# Altium PCB Copy of Power_Management_Board.PcbDoc (part 2 of 2)
Units mm, origin at the board's own origin, x right, y up, seen from the top; angles counter-clockwise.
Board outline 210 x 150 mm, 4 copper layers (Top Layer, Layer 1 (3.3V), Layer 2 (GND), Bottom Layer), stack 1.606 mm thick; 112 components, 88 nets, 553 pads, 196 vias.
Unrouted connection lines stored in the file: 1.
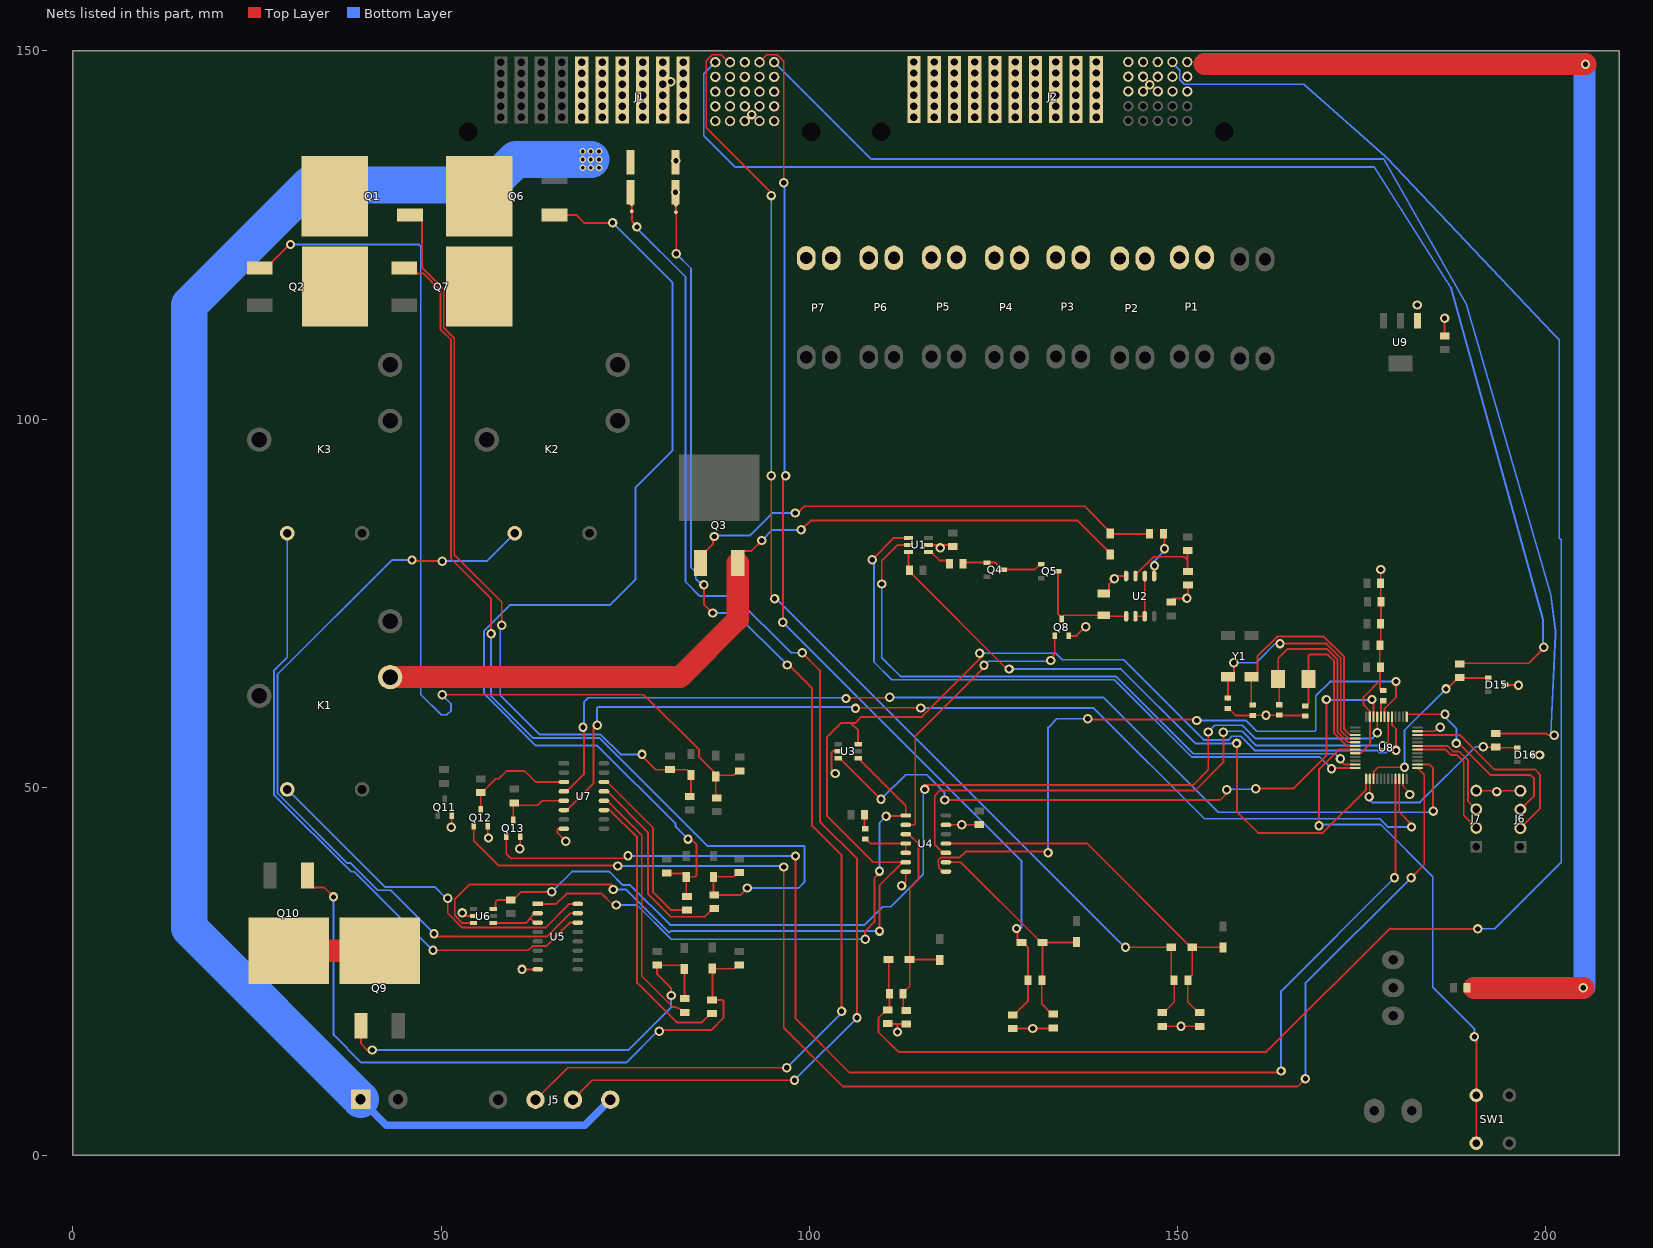
[diagram p2: the nets of this part, all layers, seen from the top]

## Via types
v1: diameter 1.27, hole 0.711, Top Layer to Bottom Layer, 186 vias
v2: diameter 0.9, hole 0.5, Top Layer to Bottom Layer, tented both sides, 9 vias
v3: diameter 1.27/1.27/1.27/1.27 (per signal layer), hole 0.711, Top Layer to Bottom Layer, 1 vias

## Nets (pads, with @x,y where several pads share a name; then routed paths per layer and width w, separated by ;. In a path a pad name is that pad's centre, name@x,y a point inside that pad or via, vN(x,y) a via of type N, cw(c..) or ccw(c..) an arc to the next point about the centre after c; other vN are vias at no path point) (continued)
B1_PRSNT: U4.8 U8.43 | length 94.1
  Top Layer w0.25: U4.8@118.575,38.54 118.15,38.54 117.604,39.086 117.604,39.473 117.525,39.551 117.525,40.069 117.911,40.455 120.455,40.455 121.25,41.25 v1@132.45,41.25 ; v1(137.85,59.3) 137.975,59.175 152.525,59.175 v1(152.65,59.05) ; U8.43@178.15,59.575 178.15,60.69 179.7,62.24 v1(179.7,64.35)
  Bottom Layer w0.25: v1(132.45,41.1) 132.4,41.15 132.55,41.3 132.45,41.4 132.45,58.1 133.65,59.3 v1(137.85,59.3) ; v1(152.65,59.05) 159.35,59.05 160.8,57.6 168.654,57.6 168.8,57.746 168.8,62.4 170.75,64.35 v1(179.7,64.35)
B1_PRSNT_EXT: D9.1 J1.A2 R28.1 R29.2 | length 149.2
  Top Layer w0.2: J1.A2@93.25,148.475 94.25,149.475 95.664,149.475 96.45,148.689
  Top Layer w0.25: J1.A2@93.25,148.475 J1.A2@93.25,148.55 ; v1(96.4,72.4) 96.45,72.45 v1@96.45,92.5 ; 96.45,148.689 96.55,148.589 v1(96.55,132.1) ; R29.2@127.664,19.078 127.839,19.078 129.739,20.978 R28.1@129.739,23.803 129.739,28.178 129.014,28.903 D9.1@128.839,28.903 128.664,28.903 128.289,29.278 128.289,30.661 v1(128.15,30.8)
  Bottom Layer w0.25: v1(96.4,72.4) 128.85,39.95 128.85,31 v1@128.5,30.65 ; v1@96.65,131.75 96.65,92.45 v1(96.8,92.3)
B2_EN: R18.2 U7.13 | length 27.4
  Top Layer w0.25: U7.13@72.125,49.435 72.55,49.435 78.1,43.885 78.1,35.5 81.2,32.4 85.8,32.4 86.925,33.525 R18.2@87.1,33.525
B2_EN_3V3: U7.4 U8.26 | length 143.3
  Top Layer w0.25: U7.4@66.675,49.435 67.1,49.435 69.4,51.735 69.4,58.03 v1(69.28,58.15) ; v1(105,62.05) 105.1,62.15 v1@110.65,62.15 ; U8.26@182.625,53.1 184.2,53.1 184.75,52.55 v1(184.75,46.75)
  Bottom Layer w0.25: v1(69.28,58.15) 69.4,58.27 69.4,61.55 70,62.15 v1@105,62.15 ; v1(110.95,62.2) 139.95,62.2 155.55,46.6 v1@184.55,46.6
B2_OFF: Q12.1 U8.25 | length 191.2
  Top Layer w0.25: Q12.1@54.45,44.7 54.45,42.75 57.85,39.35 v1@74,39.35 ; v1(96.55,39.15) 96.55,17.35 104.55,9.35 166.35,9.35 v1(167.4,10.4) ; v1(181.75,37.7) 183.55,39.5 183.55,51.675 U8.25@182.625,52.6
  Bottom Layer w0.25: v1(74,39.3) 96.4,39.3 v1(96.55,39.15) ; v1(167.4,10.4) 167.4,23.35 v1(181.75,37.7)
B2_ON: R17.2 U7.14 | length 23.6
  Top Layer w0.25: U7.14@72.125,50.705 72.55,50.705 78.8,44.455 78.8,35.7 81.175,33.325 R17.2@83.4,33.325
B2_ON_CTRL: Q12.3 R25.2 U7.3 | length 15.4
  Top Layer w0.25: Q12.3@55.4,47 R25.2@55.4,49.275 55.575,49.275 57.45,51.15 57.85,51.15 58.9,52.2 61.35,52.2 62.845,50.705 U7.3@66.675,50.705
B2_PRSNT: U4.10 U8.42 | length 80.6
  Top Layer w0.25: U4.10@118.575,41.08 118.15,41.08 117.05,42.18 117.05,48.85 117.75,49.55 152.438,49.55 156.25,53.362 v1(156.25,57.45) ; v1@178.15,55.7 178.65,56.2 U8.42@178.65,59.575
  Bottom Layer w0.25: v1@156.206,57.085 156.721,57.6 158.8,57.6 160.75,55.65 v1(177.9,55.65)
B2_PRSNT_EXT: D10.1 J1.A4 R30.1 R31.2 | length 164.6
  Top Layer w0.2: J1.A4@89.05,148.475 88.05,149.475 86.836,149.475 86.015,148.654 86.015,139.569 v1@95.334,130.25
  Top Layer w0.25: J1.A4@89.05,148.475 J1.A4@89.25,148.475 ; v1(94.85,92.3) 94.85,76.05 v1(95.3,75.6) ; v1(142.954,28.25) D10.1@149.175,28.25 149.175,24.325 149.575,23.925 R30.1@149.575,23.75 149.575,20.825 148.125,19.375 R31.2@147.95,19.375
  Bottom Layer w0.25: v1(94.85,92.3) v1(94.85,130.35) ; v1(95.3,75.6) 95.508,75.6 142.858,28.25 v1(142.954,28.25) v1@143.05,28.25
BGND: J1.3 J1.4 J1.5 J1.6 J4.2 J5.4 P9.1 R1.2 R2.2 | length 217.1
  Bottom Layer w1: P9.1@39.07,7.6 42.57,4.1 69.54,4.1 J5.4@72.99,7.55
  Bottom Layer w5: P9.1@39.07,7.6 15.8,30.87 15.8,115.5 32.1,131.8 56.7,131.8 60.15,135.25 v2(69.25,135.25) v2(70.35,135.25)
  other v2: 69.25,134.15 70.35,134.15 71.45,134.15 71.45,135.25 69.25,136.35 70.35,136.35 71.45,136.35
DAC_CS: R8.1 U1.6 U8.13 | length 88.8
  Top Layer w0.25: U1.6@113.5,81.95 113.5,79.575 R8.1@113.625,79.45 113.625,79.275 113.975,78.925 126.85,66.05 v1(127.15,66.05) ; v1(158.05,55.95) 158.1,55.9 158.1,46.65 160.96,43.79 169.782,43.79 175.65,49.658 U8.13@175.65,51.125
  Bottom Layer w0.25: v1(127.15,66.05) 142.336,66.05 152.436,55.95 v1(158.05,55.95)
ESTOP: U3.6 U4.6 U6.3 U8.41 | length 197.2
  Top Layer w0.25: U6.3@54.4,31.55 52.9,31.55 51.86,32.59 51.86,34.768 53.852,36.76 73.19,36.76 v1@73.35,36.6 ; U3.6@106.65,55.85 106.65,57.708 105.661,58.696 ; v1(109.55,30.45) 109.55,36.66 U4.6@112.7,39.81 ; U4.6@113.125,39.81 U4.6@112.7,39.81 ; v1@123.45,67.692 115.308,59.55 107.1,59.55 106.246,58.696 105.661,58.696 ; U8.41@179.15,59.575 179.15,58.45 179.7,57.9 v1(179.7,55) ; 105.661,58.696 104.296,58.696 102.4,56.8 102.4,46.1 108.69,39.81 U4.6@112.7,39.81
  Bottom Layer w0.25: v1(73.4,36.1) 75.15,36.1 81,30.25 81.2,30.45 v1(109.55,30.45) ; v1(123.15,68.2) 133.5,68.2 134.4,67.3 142.75,67.3 153.65,56.4 156.9,56.4 157.41,56.91 158.59,56.91 160.5,55 177.192,55 177.502,54.69 178.298,54.69 178.608,55 v1(179.7,55)
ESTOP_IN: D12.1 J2.A2 R32.1 R33.2 | length 255.4
  Top Layer w0.25: D12.1@110.8,26.6 110.8,22.075 R32.1@110.925,21.95 110.925,20 R33.2@110.65,19.725 110.475,19.725 109.4,18.65 109.4,16.75 112.1,14.05 162.1,14.05 178.9,30.85 179,30.75 v1(190.8,30.75)
  Bottom Layer w0.2: J2.A2@149.35,148.4 150.35,147.4 150.35,146.086 150.936,145.5 167.15,145.5 178.215,135.725 178.464,135.476 200.975,111.676 201.092,111.558 201.9,110.75 201.9,83.824 202.135,83.589 202.135,39.785 193.1,30.75 v1(190.8,30.75)
  Bottom Layer w0.25: J2.A2@149.35,148.4 J2.A2@149.35,148.5
ESTOP_PWR: J2.A1 R5.1 | length 192.6
  Top Layer w0.25: J2.A1@151.375,148.525 J2.A1@151.35,148.5 J2.A1@151.5,148.35 ; v1@205.3,148.35 v1(205.45,148.2)
  Top Layer w3: 153.686,148.2 v1(205.45,148.2) ; 190.3,22.75 v1(205.15,22.75)
  Bottom Layer w0.25: v1(205.15,22.75) v1@205.3,22.9 ; v1@205.3,148.05 v1(205.45,148.2)
  Bottom Layer w3: v1@205.3,22.9 v1@205.3,148.05
GND: C1.1 C2.1 C3.2 C4.1 C5.1 C6.1 C7.1 C8.2 C9.2 C10.2 C11.2 C12.2 C13.2 C16.2 C17.2 C18.2 C19.2 D15.3 D16.3 J1.1 J1.2 J1.A3 J1.B1 J1.B2 J1.B3 J1.B4 J1.B5 J1.C1 J1.C2 J1.C3 J1.C4 J1.C5 J1.D1 J1.D2 J1.D3 J1.D4 J1.D5 J1.E1 J1.E2 J1.E3 J1.E4 J1.E5 J2.A3 J2.A4 J2.A5 J2.B1 J2.B2 J2.B3 J2.B4 J2.B5 J2.C1 J2.C2 J2.C3 J2.C4 J2.C5 J3.2 J6.4 J7.4 Q8.2 Q11.2 Q12.2 Q13.2 R1.1 R2.1 R16.2 R29.1 R31.1 R33.1 R36.2 U1.2 U2.4 U3.2 U4.7 U4.13 U5.8 U6.2 U7.8 U8.8 U8.23 U8.35 U8.47 U9.1 | length 106.1
  Top Layer w0.25: v1(51.4,44.55) 51.45,44.6 Q11.2@51.45,46.1 ; v1(52.879,32.929) 53.025,32.782 53.025,32.5 U6.2@54.4,32.5 ; Q12.2@56.35,44.7 56.35,43.2 v1(56.45,43.1) ; v1@60.7,42.05 60.75,42.1 Q13.2@60.75,43.25 ; v1@61.25,25.25 61.255,25.255 U5.8@63.125,25.255 ; U7.8@66.675,44.355 65.825,44.355 65.825,43.775 v1(66.95,42.65) ; v1@103.05,52 103.05,54.754 103.196,54.9 U3.2@103.95,54.9 ; R33.1@110.65,17.875 110.7,17.825 111.95,17.825 ; v1(112,16.75) 112,17.775 111.95,17.825 ; v1(112.55,36.6) 113.125,37.175 U4.7@113.125,38.54 ; C7.1@113.2,17.825 111.95,17.825 ; U1.2@116.2,82.9 118.875,82.9 C1.1@119.05,82.725 ; U4.13@118.575,44.89 v1(120.72,44.89) 122.865,44.89 C4.1@122.95,44.975 ; R29.1@127.664,17.228 v1(130.359,17.228) 133.053,17.228 C5.1@133.15,17.325 ; Q8.2@135.25,70.55 136.3,70.55 v1@137.85,72.1 ; C3.2@140,76.3 140.325,76.3 140.725,76.7 140.725,77.595 v1(141.455,78.325) ; v1@141.305,78.675 U2.4@143.045,78.675 ; R31.1@147.95,17.525 v1(150.5,17.525) C6.1@153.05,17.525 ; C2.1@149.2,75.375 149.475,75.65 v1(151.3,75.65) ; v1@151.45,76.15 R16.2@151.45,77.475 ; C17.2@156.85,60.7 156.95,60.7 157.9,59.75 C16.2@160.25,59.75 160.275,59.775 v1(162.05,59.775) 163.825,59.775 C18.2@163.85,59.8 163.925,59.725 167.325,59.725 C19.2@167.4,59.65 ; U8.8@174.175,54.6 174.185,54.61 174.931,54.61 176.15,55.828 U8.47@176.15,59.575 176.15,60.164 176.125,60.189 176.125,60.347 175.3,61.172 175.3,62.25 177.55,64.5 ; C12.2@177.55,65.75 177.55,64.5 ; C12.2@177.575,66.3 177.5,66.375 C11.2@177.5,69.3 177.625,69.425 C10.2@177.625,72.2 177.675,72.25 C9.2@177.675,75.2 177.625,75.25 C8.2@177.625,77.7 v1(177.625,79.575) ; R36.2@177.65,63.15 177.55,63.25 177.55,64.5 ; U8.23@180.65,51.125 180.65,50.161 181.911,48.9 181.811,49 v1(181.556,49) ; U8.35@182.625,57.6 184.9,57.6 v1@185.4,58.1 ; v1(186.3,113.7) 186.3,111.325 C13.2@186.35,111.275 ; J7.4@190.6,49.54 190.63,49.51 193.4,49.51 J6.4@196.6,49.51 ; D15.3@194.55,63.9 195.65,63.9 195.7,63.85 ; D16.3@198.45,54.4 199.182,54.4 v1(199.211,54.372)
  other v1: 61,25.25 60.7,41.65 193.4,49.4 103.55,51.85 185.7,58.15 196.35,63.85 137.55,71.8 117.8,82.5 182.6,115.5 81.85,130.8 81.9,135.1 92.2,141.35 146.25,145.4 81.2,145.8
I2C_SCL: J1.A5 R35.2 | length 186.2
  Top Layer w0.25: R35.2@188.05,66.825 197.725,66.825 199.765,68.865 v1(199.765,69)
  Bottom Layer w0.25: J1.A5@87.25,148.475 85.675,146.9 85.675,138.475 89.9,134.25 176.734,134.25 187.149,117.862 187.169,117.83 199.665,72.764 199.665,69.1 v1(199.765,69)
I2C_SDA: J1.A1 R34.2 | length 179.2
  Top Layer w0.25: R34.2@193.25,57.275 200.14,57.275 200.365,57.05 v1(201.2,57.05)
  Bottom Layer w0.25: J1.A1@95.25,148.475 108.425,135.3 178.039,135.3 189.243,115.64 189.251,115.611 200.715,76.176 201.363,71.215 201.363,70.842 v1@200.725,57.05
NetC3_1: C3.1 Q5.3 Q8.3 U2.5 | length 15.6
  Top Layer w0.25: Q5.3@133.8,79.35 133.8,73.5 Q8.3@134.3,73 ; Q8.3@134.3,72.85 Q8.3@134.3,73 ; U2.5@143.045,73.225 140.125,73.225 C3.1@140,73.35 134.65,73.35 Q8.3@134.3,73
NetC5_2: C5.2 D8.2 D9.2 R28.2 U4.9 | length 32.8
  Top Layer w0.25: U4.9@118.575,39.81 120.607,39.81 131.514,28.903 D9.2@131.689,28.903 ; C5.2@133.15,19.175 132.975,19.175 131.589,20.561 R28.2@131.589,23.803 131.689,23.903 D9.2@131.689,28.903 ; D8.2@136.3,28.975 136.228,28.903 D9.2@131.689,28.903
NetC6_2: C6.2 D10.2 D11.2 R30.2 U4.11 | length 53.4
  Top Layer w0.25: U4.11@118.575,42.35 137.75,42.35 151.85,28.25 D10.2@152.025,28.25 ; C6.2@153.05,19.375 152.875,19.375 151.425,20.825 R30.2@151.425,23.75 151.425,23.925 152.025,24.525 D10.2@152.025,28.25 ; D11.2@156.2,28.225 156.175,28.25 D10.2@152.025,28.25
NetC7_2: C7.2 D12.2 D13.2 R32.2 U4.3 | length 30.1
  Top Layer w0.25: U4.3@113.125,43.62 113.55,43.62 114.85,42.32 114.85,37.5 113.65,36.3 D12.2@113.65,26.6 ; C7.2@113.2,19.675 113.125,19.675 112.775,20.025 R32.2@112.775,21.95 112.775,22.125 113.65,23 D12.2@113.65,26.6 ; D13.2@117.75,26.525 117.675,26.6 D12.2@113.65,26.6
NetC16_1: C16.1 U8.3 Y1.1 | length 33
  Top Layer w0.25: C16.1@160.25,61.15 160.05,61.35 Y1.1@160.05,65.012 160.367,65.012 160.877,65.522 160.877,67.785 163.552,70.46 169.916,70.46 172.65,67.727 172.65,57.879 173.419,57.11 174.165,57.11 U8.3@174.175,57.1
NetC17_1: C17.1 U8.4 Y1.2 | length 33.5
  Top Layer w0.25: C17.1@156.875,61.75 Y1.2@156.875,65.012 157.192,65.012 157.702,65.522 v1@157.702,66.402 ; v1(163.95,69.5) 170.24,69.5 172.2,67.54 172.2,57.692 173.282,56.61 174.165,56.61 U8.4@174.175,56.6
  Bottom Layer w0.25: v1(157.65,66.9) 160.7,66.9 v1@163.45,69.65
NetC18_1: C18.1 U8.5 Y2.1 | length 28.4
  Top Layer w0.25: C18.1@163.85,61.2 163.85,64.55 Y2.1@163.7,64.7 163.7,67.5 164.95,68.75 170.354,68.75 171.75,67.354 171.75,57.506 173.146,56.11 174.165,56.11 U8.5@174.175,56.1
NetC19_1: C19.1 U8.6 Y2.2 | length 24.4
  Top Layer w0.25: C19.1@167.4,61.05 167.5,61.05 167.8,61.35 Y2.2@167.8,64.7 167.8,67.854 167.946,68 170.45,68 171.3,67.15 171.3,57.319 173.019,55.6 U8.6@174.175,55.6
NetD1_2: D1.2 Q1.1 R6.2 R9.1 | length 103.8
  Top Layer w0.25: Q1.1@45.8,127.72 46.662,127.72 47.427,126.955 47.427,120.559 50.365,117.621 50.365,112.405 51.8,110.97 51.8,81.6 58.25,75.15 v1(58.25,72) ; v1@77.4,54.15 79.175,52.375 R6.2@81.1,52.375 83.425,52.375 83.95,51.85 D1.2@83.95,51.675 83.95,48.925 R9.1@83.75,48.725
  Bottom Layer w0.25: v1@58.05,71.6 58.05,62.5 63.4,57.15 71.686,57.15 74.386,54.45 v1(77.3,54.45)
NetD2_2: D2.2 Q2.1 R7.2 R10.1 | length 141.3
  Top Layer w0.25: Q2.1@25.387,120.54 26.249,120.54 29.409,123.7 v1(29.55,123.7) ; v1(50.16,62.55) 77.56,62.55 85.042,55.067 85.042,54.058 87.3,51.8 D2.2@87.3,51.625 ; R10.1@87.45,48.525 87.3,48.675 D2.2@87.3,51.625 ; R7.2@90.55,52.225 90.375,52.225 89.775,51.625 D2.2@87.3,51.625
  Bottom Layer w0.25: v1(29.55,123.7) 47,123.7 47.25,123.45 47.25,62.592 50.002,59.84 50.798,59.84 51.36,60.402 51.36,61.3 50.16,62.5 v1(50.16,62.55)
NetD3_1: D3.1 K1.5 Q3.3 | length 113.3
  Top Layer w0.25: Q3.3@90.3,80.45 90.3,81.312 91.065,82.077 92.127,82.077 v1(93.55,83.5) ; v1@99.15,85.15 100.2,86.2 136.5,86.2 140.9,81.8 D3.1@140.9,81.625
  Top Layer w3: K1.5@43.08,64.94 82.44,64.94 90.3,72.8 Q3.3@90.3,80.45
  Bottom Layer w0.25: v1(93.55,83.5) 95,84.95 v1(98.9,84.95)
NetD3_2: D3.2 Q3.1 R12.1 | length 66.8
  Top Layer w0.25: Q3.1@85.22,80.45 85.22,81.312 86.948,83.04 86.948,83.898 v1(87.1,84.05) ; v1@98.3,87.1 99.35,88.15 137.4,88.15 140.9,84.65 D3.2@140.9,84.475 140.975,84.4 R12.1@146.25,84.4
  Bottom Layer w0.25: v1@86.95,84.2 92,84.2 95.05,87.25 v1(98.1,87.25)
NetD4_2: D4.2 Q6.1 R14.2 R17.1 | length 143.2
  Top Layer w0.25: Q6.1@65.4,127.72 68.347,127.72 69.417,126.65 v1(73.3,126.65) ; R14.2@80.05,38.275 82.925,38.275 83.3,37.9 D4.2@83.3,37.825 ; R17.1@83.4,35.175 83.3,35.275 D4.2@83.3,37.825 ; v1@83.95,42.95 84.675,42.225 84.675,37.971 84.529,37.825 D4.2@83.3,37.825
  Bottom Layer w0.25: v1(73.3,126.65) 81.45,118.5 81.45,95.75 76.4,90.7 76.4,78.2 72.924,74.724 59.316,74.724 55.84,71.248 55.84,62.674 62.864,55.65 71.207,55.65 81.85,45.007 81.85,44.65 v1(83.55,42.95)
NetD5_2: D5.2 Q7.1 R15.2 R18.1 | length 139.2
  Top Layer w0.25: Q7.1@44.987,120.54 45.752,119.775 47.575,119.775 49.915,117.435 49.915,112.219 51.35,110.784 51.35,81.05 56.8,75.6 v1(56.8,70.85) ; R15.2@90.5,38.425 90.325,38.425 89.725,37.825 D5.2@87,37.825 87,35.475 R18.1@87.1,35.375 90.675,35.375 v1(91.6,36.3)
  Bottom Layer w0.25: v1(56.8,70.85) 56.8,62.35 62.45,56.7 71.5,56.7 86.2,42 99.35,42 99.35,37.1 98.55,36.3 v1(91.6,36.3)
NetD6_2: D6.2 Q9.1 R19.2 R22.1 | length 61.9
  Top Layer w0.25: Q9.1@39.11,17.587 39.11,15.19 40,14.3 v1(40.65,14.3) ; v1(81.25,21.715) 81.25,22.7 79.35,24.6 R19.2@79.35,25.825 82.675,25.825 83.05,25.45 D6.2@83.05,25.325 83.05,21.325 R22.1@83.1,21.275
  Bottom Layer w0.25: v1(40.65,14.3) 75.45,14.3 81.25,20.1 v1(81.25,21.715)
NetD7_2: D7.2 Q10.1 R20.2 R23.1 | length 93.4
  Top Layer w0.25: Q10.1@31.85,38 31.85,37.138 32.615,36.373 34.127,36.373 v1(35.4,35.1) ; v1@79.25,17 86.7,17 88.35,18.65 88.35,20.954 88.204,21.1 R23.1@86.8,21.1 86.85,21.15 D7.2@86.85,25.35 89.85,25.35 90.325,25.825 R20.2@90.5,25.825
  Bottom Layer w0.25: v1(35.4,35.1) 35.4,16.35 39.15,12.6 75.15,12.6 79.4,16.85 v1(79.65,16.85)
NetD14_1: D14.1 U4.4 U4.5 | length 7
  Top Layer w0.25: D14.1@107.6,42.95 107.7,42.95 108.3,42.35 U4.4@113.125,42.35 U4.5@113.125,41.08
NetD14_2: D14.2 R27.2 | length 1.9
  Top Layer w0.25: R27.2@107.525,46.25 107.525,44.425 D14.2@107.6,44.35
NetD15_1: D15.1 R35.1 U8.15 | length 24.8
  Top Layer w0.25: U8.15@176.65,51.125 176.65,52.089 177.261,52.7 v1(180.85,52.7) ; v1(186.5,63.35) 186.65,63.35 188.15,64.85 D15.1@192.25,64.85
  Bottom Layer w0.25: v1(180.85,52.7) 180.85,57.7 v1(186.5,63.35)
NetD16_1: D16.1 R34.1 U8.14 | length 25.7
  Top Layer w0.25: v1(176.05,48.7) 176.14,48.79 176.14,51.115 U8.14@176.15,51.125 ; v1@191.775,55.425 R34.1@193.25,55.425 ; R34.1@193.05,55.25 193.15,55.35 D16.1@196.15,55.35
  Bottom Layer w0.25: v1@176.15,48.25 176.46,47.94 182.94,47.94 190.5,55.5 v1(191.55,55.5)
NetJ3_1: J3.1 J5.2 | length 167.4
  Top Layer w0.25: J5.2@62.83,7.55 67.18,11.9 v1(96.95,11.9) ; J3.1@81.852,128.052 J3.1@81.9,128.1 81.948,128.052 v1@81.948,122.152 ; v1(85.7,77.5) 85.7,74.85 v1(86.9,73.65) ; v1@96.8,66.6 v1(97.025,66.6) 97.25,66.6 100.4,63.45 100.4,44.75 104.4,40.75 v1(104.4,19.575)
  Bottom Layer w0.25: v1(81.95,122.45) 83.95,120.45 83.95,79.85 84.6,79.2 84.6,78.3 v1@85.55,77.35 ; v1(86.9,73.65) 89.975,73.65 v1(97.025,66.6) ; v1(96.95,11.9) 104.4,19.35 v1(104.4,19.575) v1@104.4,19.8
NetJ4_1: J4.1 J5.3 | length 169
  Top Layer w0.25: J5.3@67.91,7.55 70.56,10.2 v1(98,10.2) ; J4.1@75.9,128.2 75.948,128.152 75.948,126.876 76.6,126.224 v1(76.6,126.1) ; v1(99.05,68.25) 101.45,65.85 101.45,45.3 106.5,40.25 v1(106.5,18.7)
  Bottom Layer w0.25: v1@76.5,126 83.2,119.3 83.2,77.9 85.15,75.95 89.85,75.95 97.55,68.25 v1(99.05,68.25) ; v1(98,10.2) v1(106.5,18.7)
NetQ1_4: Q1.4 Q2.4
NetQ4_1: Q4.1 Q4.3 Q5.1 R11.2 | length 11.4
  Top Layer w0.25: R11.2@120.875,80.35 121.025,80.5 Q4.1@124.15,80.5 125.35,80.5 126.3,79.55 Q4.3@126.45,79.55 130.6,79.55 131.35,80.3 Q5.1@131.5,80.3
NetQ6_4: Q6.4 Q7.4
NetQ8_1: Q8.1 U4.2 | length 39.7
  Top Layer w0.25: U4.2@113.125,44.89 114.254,44.89 114.4,45.036 114.4,56.9 v1@124,66.5 ; v1(132.8,67.2) 132.8,67.476 133.35,68.026 Q8.1@133.35,70.55
  Bottom Layer w0.25: v1(123.75,66.55) 123.856,66.55 124.406,67.1 132.7,67.1 v1(132.8,67.2)
NetQ9_4: Q9.4 Q10.4 | length 12.3
  Top Layer w0.25: Q9.4@41.637,27.787 Q9.4@41.65,27.8
  Top Layer w3: Q10.4@29.31,27.787 Q9.4@41.637,27.787
NetR11_1: R11.1 U1.1 | length 3.3
  Top Layer w0.25: U1.1@116.5,82 117.7,80.8 118.675,80.8 119.025,80.45 R11.1@119.025,80.35
NetR12_2: R12.2 U2.1 | length 6.4
  Top Layer w0.25: U2.1@146.855,78.675 146.881,78.701 146.881,80.047 v1(146.907,80.073) ; R12.2@148.1,84.4 148.25,84.25 v1(148.25,82.4)
  Bottom Layer w0.25: v1(146.907,80.073) 146.855,80.125 146.855,80.705 v1@148.45,82.3
NetR13_2: R13.2 R16.1 U2.3 | length 11.2
  Top Layer w0.25: U2.3@144.5,78.572 144.5,79.024 146.776,81.3 150.925,81.3 151.4,80.825 ; R13.2@151.4,82.125 151.4,80.825 ; R16.1@151.5,79.425 151.4,79.525 151.4,80.825
NetR36_1: R36.1 U8.44 | length 2.2
  Top Layer w0.25: U8.44@177.65,59.575 R36.1@177.65,61.75
NetSW1_3: SW1.3 SW1.4 U8.7 | length 70.5
  Top Layer w0.25: v1(169.25,44.75) 169.25,52.45 171.9,55.1 U8.7@174.175,55.1 U8.7@174.165,55.11 ; v1(190.35,16.1) 190.35,15.824 190.638,15.536 190.638,8.187 SW1.3@190.6,8.15 SW1.4@190.6,1.65
  Bottom Layer w0.25: v1@169.6,44.95 177.6,44.95 184.7,37.85 184.7,22.85 190.35,17.2 v1(190.35,16.1)
NetU2_2: U2.2 U2.6 U2.7 | length 6.7
  Top Layer w0.25: U2.6@144.315,73.225 U2.7@145.585,73.225 U2.2@145.585,78.675
NetU5_2: U5.2 U5.3 U6.4 | length 7.9
  Top Layer w0.25: U6.4@57.1,31.55 61.485,31.55 62.175,32.24 ; U5.3@63.125,31.605 62.7,31.605 62.175,32.13 62.175,32.24 ; U5.2@63.125,32.875 62.7,32.875 62.175,32.35 62.175,32.24
OUT1: J2.1 J2.2 P1.1
OUT2: J2.3 J2.4 P2.1
OUT3: J2.5 J2.6 P3.1
OUT4: J2.7 P4.1
OUT5: J2.8 P5.1
OUT6: J2.9 P6.1
OUT7: J2.10 P7.1
PSU_EN: R23.2 U7.11 | length 38.7
  Top Layer w0.25: U7.11@72.125,46.895 72.913,46.895 76.633,43.174 76.633,23.417 82,18.05 85.425,18.05 86.625,19.25 R23.2@86.8,19.25
PSU_EN_3V3: U7.6 U8.22 | length 140.2
  Top Layer w0.25: U7.6@66.675,46.895 67.1,46.895 70.7,50.495 v1@70.7,58.25 ; v1(106.3,60.7) 106.4,60.8 v1@115.15,60.8 ; U8.22@180.15,51.125 180.15,46.632 181.527,45.255 181.527,45.149 181.65,45.026 v1@181.65,44.75
  Bottom Layer w0.25: v1(71.2,58.4) 71.2,60.754 71.346,60.9 v1@106.481,60.9 ; v1(115.15,60.75) 138.65,60.75 153.69,45.71 177.476,45.71 178.586,44.6 v1(181.8,44.6)
PSU_OFF: Q13.1 U8.21 | length 179
  Top Layer w0.25: Q13.1@58.85,43.25 58.85,40.95 59.45,40.35 v1@75.5,40.35 ; v1(98.15,40.65) 98.15,18.55 105.45,11.25 163.8,11.25 v1@163.9,11.35 ; v1(179.5,37.7) 179.64,37.84 179.64,51.115 U8.21@179.65,51.125
  Bottom Layer w0.25: v1(75.4,40.7) 75.45,40.65 v1(98.15,40.65) ; v1(164.1,11.45) 164.1,22.3 v1(179.5,37.7)
PSU_ON: R22.2 U7.12 | length 34.1
  Top Layer w0.25: U7.12@72.125,48.165 72.55,48.165 77.25,43.465 77.25,24.357 81.46,20.147 81.953,20.147 82.139,19.961 82.389,19.961 82.925,19.425 R22.2@83.1,19.425
PSU_ON_CTRL: Q13.3 R26.2 U7.5 | length 9.4
  Top Layer w0.25: Q13.3@59.8,45.55 59.8,47.725 59.975,47.55 63.15,47.55 63.765,48.165 U7.5@66.675,48.165
SPI_CLK: U1.5 U8.11 | length 88.3
  Top Layer w0.25: v1(109.85,77.6) 109.85,80.75 112,82.9 U1.5@113.5,82.9 ; v1@171.85,53.85 172.6,53.1 U8.11@174.175,53.1
  Bottom Layer w0.25: v1(109.85,77.6) 109.85,67.6 112.4,65.05 141.636,65.05 152.136,54.55 171.422,54.55 172.122,53.85 v1(172.15,53.85)
SPI_MOSI: U1.4 U8.12 | length 91.7
  Top Layer w0.25: v1(108.55,80.9) 111.5,83.85 U1.4@113.5,83.85 ; v1@170.55,52.6 171.7,52.6 U8.12@174.175,52.6
  Bottom Layer w0.25: v1@108.8,80.7 108.8,67 111.2,64.6 141.45,64.6 151.95,54.1 169.35,54.1 v1(170.95,52.5)
SS_BEGIN: U3.3 U8.46 | length 90
  Top Layer w0.25: U3.3@103.95,53.95 104.15,53.95 v1(109.75,48.35) ; v1(118.4,48.25) 155.8,48.25 156.85,49.3 v1@156.85,49.45 ; v1(160.65,49.8) 165.75,49.8 170.25,54.3 v1(170.25,61.9) ; v1@176.45,61.45 176.65,61.25 U8.46@176.65,59.575
  Bottom Layer w0.25: v1(109.75,48.35) 113.1,51.7 115.95,51.7 118.4,49.25 v1(118.4,48.25) ; v1(156.7,49.65) 156.775,49.725 160.575,49.725 v1(160.65,49.8) ; v1@170.75,61.85 176.4,61.85 v1(176.45,61.9)
SS_BYPASS_RELAY_1: K2.2 U5.15 | length 106.6
  Top Layer w0.25: v1(46.05,80.85) 46.2,80.7 46.25,80.75 46.3,80.7 v1(50.16,80.7) ; v1@49,29.7 64.35,29.7 67.525,32.875 U5.15@68.575,32.875
  Bottom Layer w0.25: v1(46.05,80.85) 43.3,80.85 27.785,65.335 27.785,49.151 37.213,39.723 37.663,39.723 41.386,36 43.15,36 v1(49.05,30.1) ; v1(50.16,80.7) 56.21,80.7 K2.2@60.01,84.5
SS_BYPASS_RELAY_2: K3.2 U5.14 | length 87.8
  Top Layer w0.25: v1(48.9,27.85) 61.871,27.85 62.441,28.42 64.27,28.42 67.455,31.605 U5.14@68.575,31.605
  Bottom Layer w0.25: K3.2@29.11,84.5 29.11,67.64 27.304,65.833 27.304,48.996 37.779,38.521 38.229,38.521 v1(48.9,27.85)
SS_DONE: R21.1 U6.6 U8.45 | length 148.4
  Top Layer w0.25: U6.6@57.1,33.45 57.225,33.45 57.4,33.625 57.4,34.45 57.625,34.675 R21.1@59.25,34.675 ; R21.1@59.6,34.675 59.775,34.675 60.85,35.75 v1@64.85,35.75 ; v1@115.65,50.3 152.15,50.3 154.2,52.35 154.2,57.3 154.3,57.4 v1(154.2,57.5) ; v1(177.15,57.4) U8.45@177.15,59.575
  Bottom Layer w0.25: v1(65.05,35.8) 67.8,38.55 72.85,38.55 74.7,36.7 75.7,36.7 81.1,31.3 107.55,31.3 110.001,33.751 111.059,33.751 115.5,38.192 115.5,49.05 ; v1(154.2,57.5) 155.11,58.41 158.79,58.41 160.578,56.622 176.5,56.622 177.15,57.272 v1(177.15,57.4)
  other v1: 115.7,49.7
SS_RELAY_ON: U3.4 U4.1 U5.1 | length 78.2
  Top Layer w0.25: U5.1@63.125,34.145 65.645,34.145 67.05,35.55 71.8,35.55 v1@73.35,34 ; U3.4@106.65,53.95 106.85,53.95 107.025,53.775 107.025,53.575 113.125,47.475 U4.1@113.125,46.16 113.07,46.105 110.505,46.105 v1(110.45,46.05) ; v1(107.6,29.35) 107.6,30.45 108.85,31.7 108.85,37.65 v1@109.6,38.4
  Bottom Layer w0.25: v1(73.8,34) 76.614,34 81.264,29.35 v1(107.6,29.35) ; v1(109.55,38.6) 109.55,45.15 v1(110.45,46.05)
SS_RELAY_PWR: K1.2 U5.16 | length 49.8
  Top Layer w0.25: v1(50.909,34.902) 50.9,34.892 50.9,32.914 52.889,30.925 58.991,30.925 59.026,30.96 64.252,30.96 67.437,34.145 U5.16@68.575,34.145
  Bottom Layer w0.25: K1.2@29.11,49.7 42.36,36.45 49.15,36.45 50.65,34.95 50.861,34.95 v1(50.909,34.902)
SWDCLK: J6.3 U8.37 | length 27
  Top Layer w0.25: U8.37@181.15,59.575 181.15,59.777 181.273,59.9 v1(186.35,59.9) ; v1@188.25,55.95 192.55,51.65 198,51.65 198.45,51.2 198.45,48.82 196.78,47.15 196.6,47.15 J6.3@196.6,46.97
  Bottom Layer w0.25: v1@186.35,59.55 187.9,58 187.9,56.05 187.85,56 v1(187.9,55.95)
SWDIO: J6.2 U8.34 | length 27.3
  Top Layer w0.25: U8.34@182.625,57.1 188.35,57.1 193.05,52.4 198.6,52.4 199.25,51.75 199.25,47.08 J6.2@196.6,44.43
USART1_RX: J7.3 U8.31 | length 14.8
  Top Layer w0.25: U8.31@182.625,55.6 186.7,55.6 187.45,54.85 188.3,54.85 189.5,53.65 189.5,51.083 189.475,51.058 189.475,48.125 J7.3@190.6,47
USART1_TX: J7.2 U8.30 | length 16.7
  Top Layer w0.25: U8.30@182.625,55.1 186.45,55.1 187.2,54.35 188,54.35 188.9,53.45 188.9,46.16 J7.2@190.6,44.46
pads on no net: J1.0 J2.0 K1.4 K2.4 K3.4 S1.0 S1.3 U4.12 U5.4 U5.5 U5.6 U5.7 U5.10 U5.11 U5.12 U5.13 U7.7 U7.10 U8.2 U8.10 U8.16 U8.17 U8.18 U8.19 U8.20 U8.29 U8.32 U8.33 U8.38 U8.39 U8.40 Y1.3 Y1.4

## Polygon pours and split planes (outlines as drawn)
GND on Bottom Layer "Bottom_GND" (solid, shelved, pour order 6): 0,0 210,0 210,150 0,150
+24_OUT on Bottom Layer "Bottom_24_OUT" (solid, shelved, pour order 0): 40.6,98.3 40.6,101.2 54.8,115.4 68.2,115.4 143.3,115.4 143.3,99 141.2,96.9 42,96.9
GND on Top Layer "Top_GND" (solid, shelved, pour order 5): 0,0 210,0 210,150 0,150
+24V on Top Layer "Top-24V" (solid, shelved, pour order 2): 22.05,36.25 27.65,36.25 27.65,86.15 29.5,88 51.8,88 59.2,95.4 59.2,104.2 47,116.4 23.3,116.4 17.9,111 17.9,40.4

## Other copper
Top Layer:
  region net ESTOP_PWR: 150.6,149.5 150.45,149.5 150.45,147.8 150.65,147.8 150.95,147.75 152.45,147.75 152.45,149.05 153.05,149.5 152.5,149.5
  region net +3.3: 179.1,116.6 179.2,116.7 181.45,116.7 181.45,112.25 181.55,112.15 183.7,109.8 183.7,104.4 183.6,104.3 176.55,104.3 176.55,109.7 178.3,111.45 178.65,111.8 179.1,112.35 179.15,112.4
  region net GND: 79.15,149.35 83.85,149.35 83.85,140.1 83.8,140.05 83.75,140.1 79.15,140.1
  region net +24_OUT: 97.95,110.5 97.9,110.55 83,110.55 83,94.55 83.6,95.15 93.05,95.15 93.05,99.05 93.05,100.6 93.2,100.75 98.2,105.75 98.2,110.4
  region net +24V: 156.85,110.4 156.9,110.45 163.6,110.45 163.6,105.05 163.65,105 156.75,105
  region net +24_OUT: 97.95,110.5 97.95,105.3 155.35,105.3 155.55,105.5 155.55,110.45
  region net OUT7: 113.2,149.2 114.9,149.2 114.95,149.15 114.95,140.2 113.15,140.2 113.15,149.15
  region net OUT7: 113.15,149.15 114.95,149.15 114.95,140.2 113.15,140.2 113.15,144.5 111.9,145.75 109.6,143.45 103.2,143.45 103.05,143.3 103.1,143.25 103.1,136.7 97.6,136.7 97.5,136.6 97.5,119.15 104.55,119.15 104.85,118.85 105.2,132.25 105.925,133.875 107,140.45 107.3,140.75 113.3,140.75 113.3,143.45 113.2,143.55 113.15,143.55 113.3,143.4
  region net OUT7: 113.2,149.2 113.25,149.15 114.95,149.15 114.95,140.2 113.15,140.2 113.15,147.5 108.95,143.3 113.3,143.3 113.4,143.2
  region net OUT6: 116,149.2 116.05,149.25 117.8,149.25 117.8,140.1 117.85,140.05 117.85,137.15 113.65,130.1 113.65,119.05 106.3,119.05 106.25,119.1 106.25,130.1 108.15,131.2 109.375,132.425 115.95,140.25 116.1,140.25
  region net OUT5: 118.75,149.3 120.6,149.3 120.5,149.2 120.6,140.15 121.9,128.9 121.9,119.1 121.85,119.05 114.8,119.05 114.8,125.2 114.7,125.3 114.75,125.35 114.75,129.45 118.45,137.05 118.7,149.1 118.8,149.2 120.35,149.2
  region net OUT4: 123.3,149.2 121.5,149.2 121.5,137.6 121.6,137.5
  region net OUT4: 123.3,149.2 121.5,149.2 121.5,140.25 121.45,140.2 121.5,140.15 121.5,137.55 122.45,131.65 123.05,129.2 123.55,118.95 130.25,118.95 130.3,118.9 130.4,119 130.3,128.15 128,131.65 126.819,133.447 124.877,136.402 124.466,137.028 123.826,138.001 123.3,139.35
  region net OUT3: 128.75,149.25 128.7,149.3 124.25,149.3 124.25,140.1 127.55,135.35 128.389,134.142 131.85,128.55 131.85,118.9 138.6,118.9 138.65,118.85 138.6,128.1 129.5,139.3 128.65,140.15 128.65,140.2 128.75,140.3
  region net OUT2: 134.375,149.3 134.325,149.35 129.875,149.35 129.875,140.15 133.875,135.75 134.675,134.95 140.475,128.6 140.475,118.95 147.4,118.95 147.4,127.75 135.125,139.35 134.275,140.2 134.275,140.25 134.375,140.35
  region net OUT1: 139.8,149.3 135.2,149.3 135.25,149.25 135.25,140.15 135.3,140.15 148.65,127.729 148.65,118.55 150.3,118.55 151.25,118.55 155.45,118.55 155.45,125.15 155.45,127.1 151.1,130.25 150.8,130.25 151.1,130.25 139.8,141.1
  region net NetQ6_4: 50.7,125.3 50.7,123 59.7,123 59.7,125.3
  region net NetQ1_4: 31.1,125.3 31.1,123 40.1,123 40.1,125.3
  region net GND: 181.926,116.25 183.35,116.25 183.35,112.35 181.926,112.35
  region net GND: 142.35,149.45 142.4,149.4 148,149.4 148.3,149.1 148.3,147.65 148.5,147.45 152.05,147.45 152.05,143.75 152,143.7 142.35,143.7
  region net GND: 90.85,149.2 90.5,148.85 90.5,147.05 92,147.05 92,148.85 91.55,149.3 90.9,149.3
  region net GND: 86.415,147.3 96.05,147.3 96.05,139.6 86.55,139.6
  region net BGND: 68.2,149.3 68.2,132.7 71.9,129 78.3,129 78.3,149.3
  region net +B2: 67.4,149.3 67.4,131.9 63.7,131.9 62.6,133 62.6,149.3
  region net +B1: 47.7,131.9 47.7,136.3 52.5,141.1 56.3,141.1 57.3,140.1 61.8,140.1 61.8,149.3 49.9,149.3 42.9,142.3 42.9,133 44,131.9
  region net +24V_SBY: 142.3,143.2 142.3,139.9 152.3,139.9 152.55,139.9 152.55,143.2
  region net +3.3: 179.7,112.4 179.7,116.2 180.95,116.2 180.95,112.4
  region net +3.3: 181.95,108.6 178.7,108.6 178.65,108.55 178.65,105.8 179.95,104.5 180.75,104.5 182,105.75 181.95,105.8

## Silkscreen, mask and mechanical layers (free items; w line width, h text height)
Bottom Solder:
  region: 45.5,101 42.95,103.55 44.1,104.7 72.1,104.7 78.3,104.7 143.3,104.7 143.3,99 141.2,96.9 76.6,96.9 76.6,100.9 75.2,102.3 72.7,102.3 71.4,101 71.4,96.9 67.3,96.9 60.1,96.9 57.4,99.6 55,99.6 52.3,96.9 45.5,96.9
Mechanical 1:
  lines w0.05: 0,0 210,0 210,150.4 0,150.4 0,0